# Altium PCB controller_V1.3.1.PcbDoc (part 2 of 7)
Units mm, origin at the board's own origin, x right, y up, seen from the top; angles counter-clockwise.
Board outline 244 x 150 mm, 2 copper layers (Top Layer, Bottom Layer), stack 1.98 mm thick; 438 components, 367 nets, 1493 pads, 9629 vias.
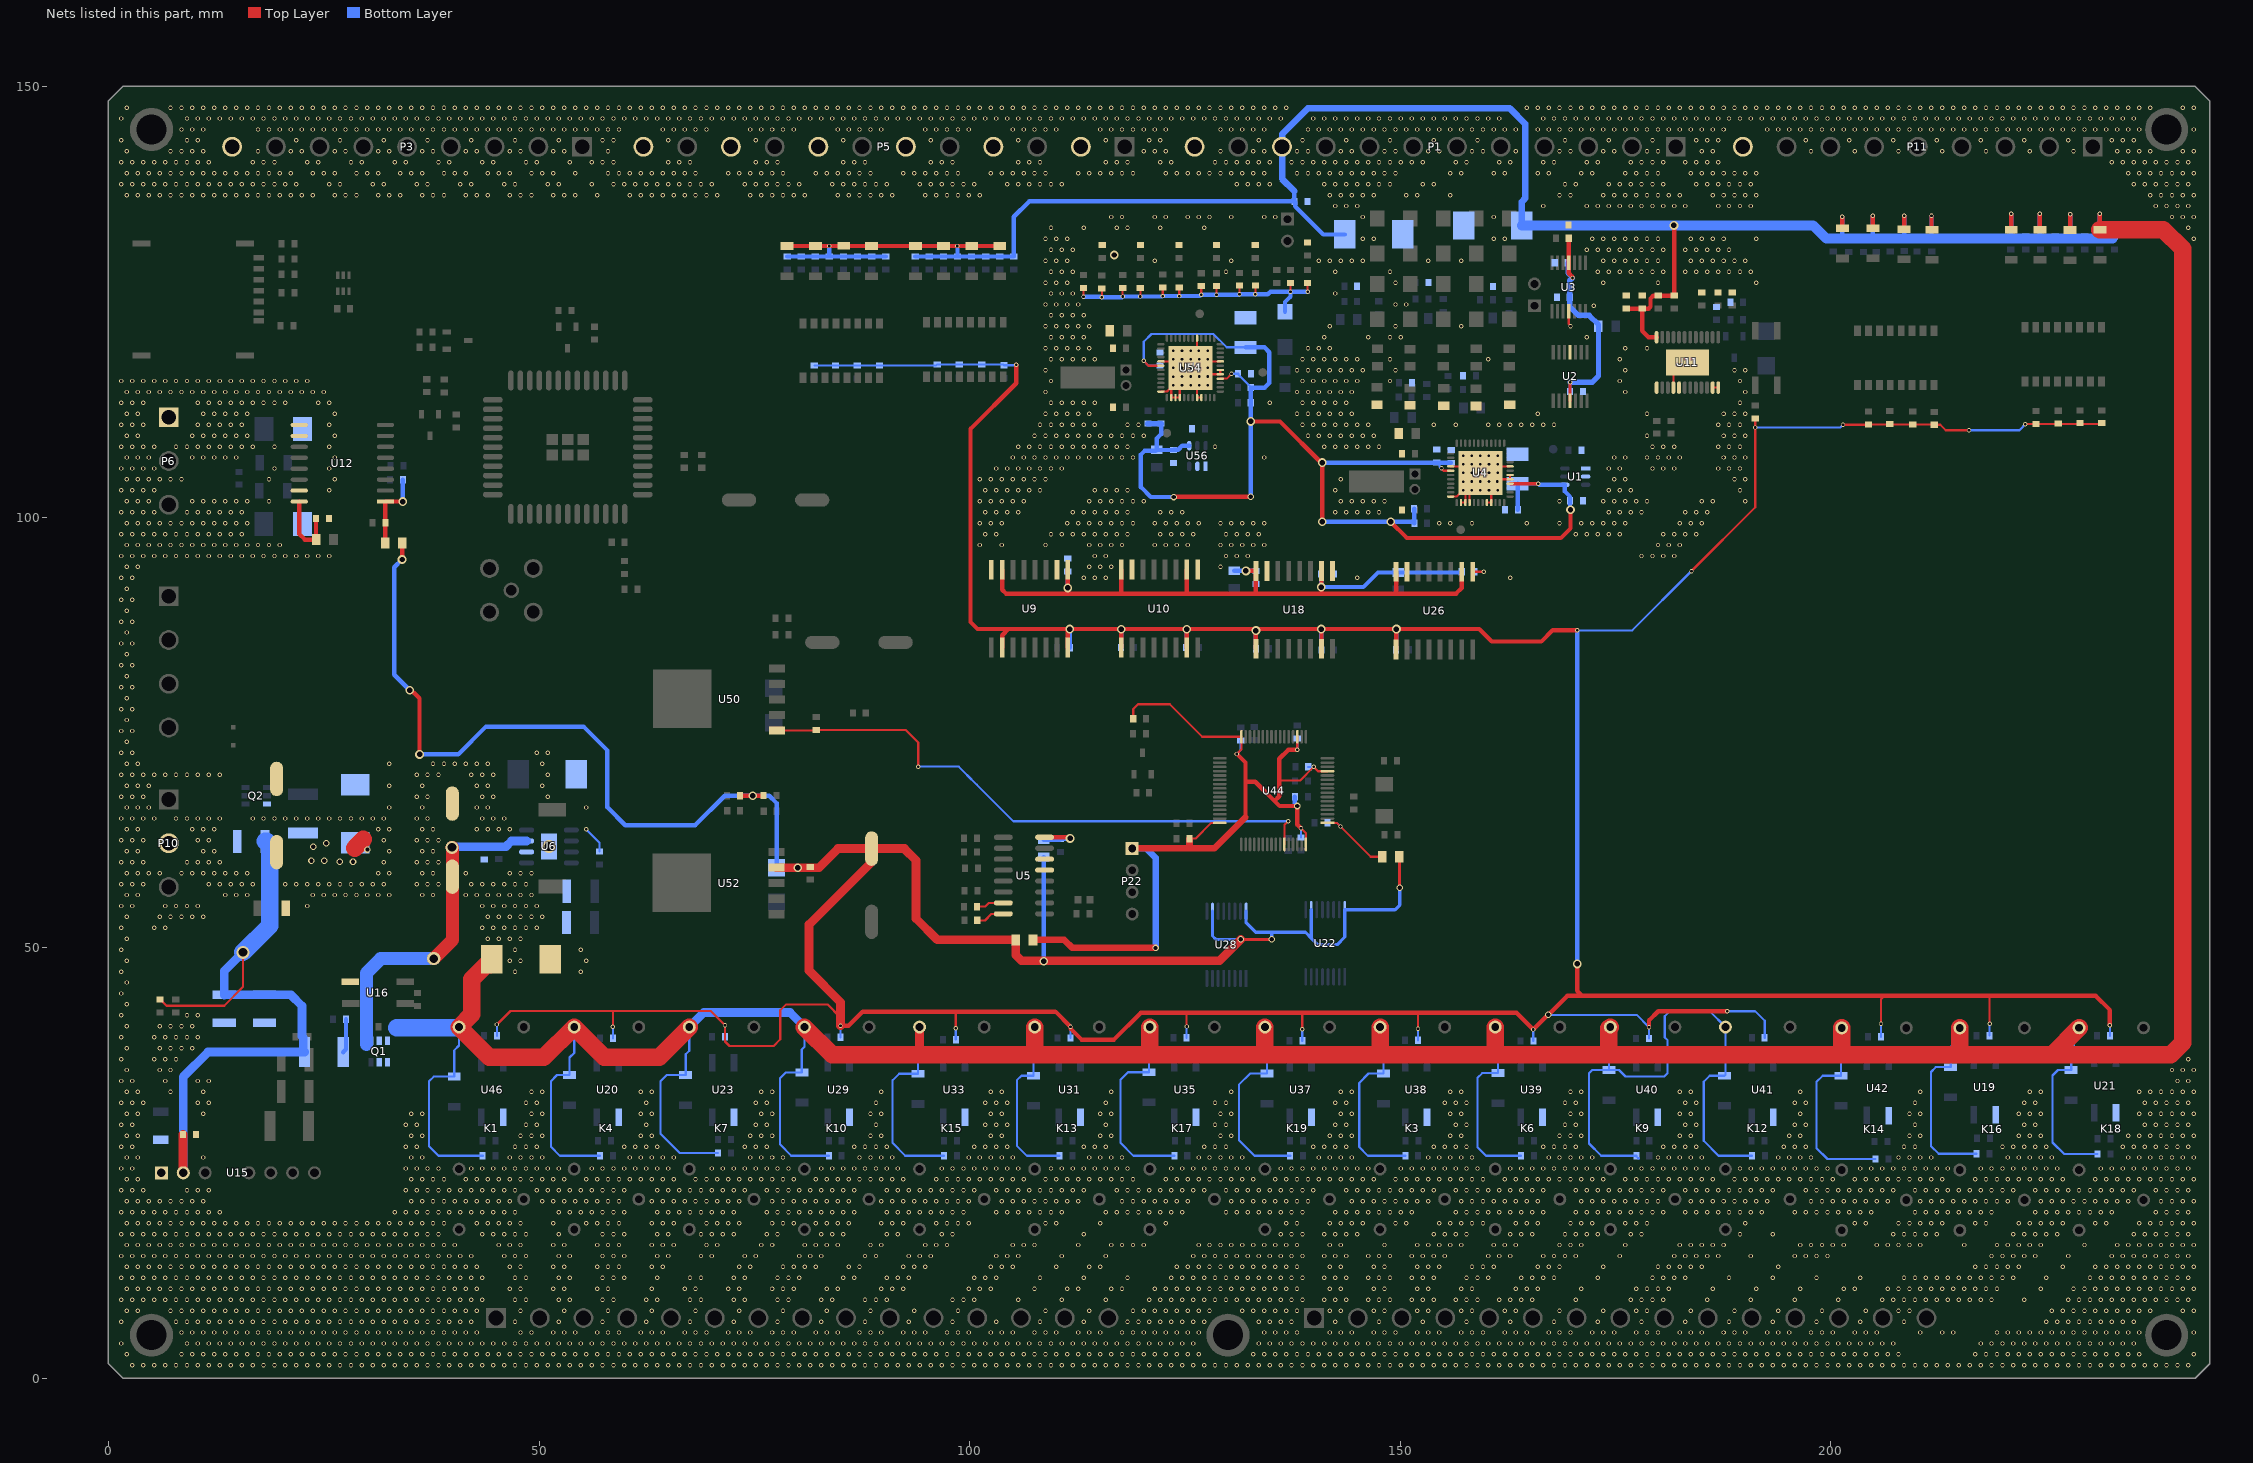
[diagram p2: the nets of this part, all layers, seen from the top]

## Via types
v1: diameter 0.508, hole 0.305, Top Layer to Bottom Layer, 9222 vias
v2: diameter 0.508, hole 0.305, Top Layer to Bottom Layer, tented both sides, 294 vias
v3: diameter 0.6, hole 0.3, Top Layer to Bottom Layer, 50 vias
v4: diameter 1.016, hole 0.635, Top Layer to Bottom Layer, tented both sides, 39 vias
v5: diameter 0.762, hole 0.508, Top Layer to Bottom Layer, tented both sides, 16 vias
v6: diameter 1.524, hole 1.016, Top Layer to Bottom Layer, tented both sides, 7 vias
v7: diameter 1.5, hole 1, Top Layer to Bottom Layer, 1 vias

## Nets (pads, with @x,y where several pads share a name; then routed paths per layer and width w, separated by ;. In a path a pad name is that pad's centre, name@x,y a point inside that pad or via, vN(x,y) a via of type N, cw(c..) or ccw(c..) an arc to the next point about the centre after c; other vN are vias at no path point) (continued)
3.3V_ISO: C57.1 C73.1 C146.2 C147.2 C161.2 C163.2 C166.2 D71.2 E147.1 FB5.1 FB6.1 FB7.2 FB9.1 R10.1 R16.1 R32.1 R34.1 R36.1 R41.1 R43.1 R47.1 R82.1 R87.1 R93.1 R97.1 R106.2 R107.2 R109.1 R114.1 R116.1 R118.1 R124.2 R127.2 R128.2 R131.2 R135.2 R139.2 R142.2 R147.2 R150.2 R152.2 R154.2 R156.2 R158.2 R160.2 R184.2 R185.1 U9.10 U9.16 U10.1 U10.7 U18.1 U18.7 U22.10 U22.16 U26.1 U28.10 U28.16 U52.4 | length 782.9
  Top Layer w0.254: v2(45.107,41.076) 46.678,42.647 69.926,42.647 v2(71.599,40.974) 71.599,39.094 72.111,38.583 77.241,38.583 78.003,39.345 78.003,42.723 78.689,43.409 83.49,43.409 85.01,41.888 ; v2(58.569,40.796) 58.569,42.592 ; v2(98.396,40.644) 98.396,42.498 ; v2(125.194,40.847) 125.194,42.37 ; v2(138.631,40.517) 138.631,42.416 ; v2(152.067,40.568) 152.067,42.289 ; v2(183.82,93.726) 191.225,101.131 v2(191.225,110.392) R106.2@191.225,111.431 ; v2(201.422,110.719) 204.344,110.719 R47.1@204.368,110.743 R41.1@209.499,110.743 211.988,110.743 R36.1@212.014,110.717 212.701,110.717 213.335,110.084 v2(216.052,110.084) ; v2(205.823,41.166) 205.823,44 206.223,44.399 ; 218.211,44.399 218.441,44.169 v2(218.441,41.149) ; v2(222.58,110.795) 222.606,110.82 R34.1@223.825,110.82 231.369,110.82 R10.1@231.445,110.896
  Top Layer w0.381: v5(131.47,50.952) v5(135.077,50.952) ; FB6.1@149.907,60.554 149.907,57.001 v5(149.936,56.972)
  Top Layer w0.508: v4(34.087,95.072) 34.131,95.116 FB7.2@34.131,96.977 ; v4(34.976,79.883) 35.113,79.883 35.367,79.629 35.458,79.629 36.119,78.969 v4(36.119,72.441) ; R184.2@73.327,67.64 v4(74.828,67.64) 76.048,67.64 R185.1@76.073,67.666 ; v2(85.01,40.923) 85.932,40.923 87.579,42.57 109.957,42.57 v2(111.705,40.822) 111.705,40.602 112.988,39.319 116.764,39.319 119.888,42.443 163.501,42.443 v2(165.453,40.491) v5@167.167,42.205 ; U9.10@103.781,84.833 103.781,86.28 104.496,86.995 ; v2(105.4,117.682) 105.4,115.537 100.101,110.238 100.101,87.808 100.914,86.995 104.496,86.995 ; U9.16@111.401,84.833 v4@111.401,86.712 ; U10.1@117.598,84.859 v4@117.598,86.77 ; U10.7@125.218,84.859 v4(125.218,86.966) ; U18.1@133.245,84.706 v4(133.245,86.813) ; U18.7@140.865,84.706 v4@140.865,86.923 ; U26.1@149.526,84.604 149.526,86.966 v4(149.555,86.995) ; v5(167.183,42.189) 169.393,44.399 171.141,44.399 ; v4(170.561,48.108) 170.561,44.979 171.141,44.399 ; v2(170.561,86.843) 167.691,86.843 166.395,85.547 160.63,85.547 159.182,86.995 v4(149.555,86.995) ; v2(178.888,40.771) 178.888,41.551 179.959,42.621 v2(187.985,42.621) ; v2(232.41,40.97) 232.41,42.748 230.759,44.399 218.211,44.399 206.223,44.399 171.141,44.399 ; 104.496,86.995 v4(140.843,86.995) v4(149.555,86.995)
  Top Layer w1.016: U52.4@77.585,59.287 82.503,59.287 84.717,61.502 E147.1@88.617,61.502 ; v2(85.01,40.923) 85.01,41.888 85.01,43.666 81.356,47.32 81.356,52.68 88.617,59.94 E147.1@88.617,61.502 ; v5(131.47,50.952) 129.007,48.489 106.02,48.489 105.359,49.149 FB5.1@105.359,50.902 96.241,50.902 93.767,53.375 93.767,60.157 92.422,61.502 E147.1@88.617,61.502
  Bottom Layer w0.254: R107.2@45.107,39.751 v2(45.107,41.076) ; R127.2@58.569,39.472 v2(58.569,40.796) ; R131.2@71.599,39.649 v2(71.599,40.974) ; R97.1@81.97,117.597 R93.1@84.431,117.597 R87.1@86.957,117.597 R82.1@89.535,117.597 R118.1@96.1,117.597 ; R135.2@85.01,39.599 v2(85.01,40.923) ; R118.1@96.227,117.724 R116.1@98.779,117.724 R114.1@101.422,117.724 103.893,117.724 R109.1@103.988,117.629 105.347,117.629 v2(105.4,117.682) ; R142.2@98.396,39.319 v2(98.396,40.644) ; R139.2@111.705,39.497 v2(111.705,40.822) ; R147.2@125.194,39.522 v2(125.194,40.847) ; R150.2@138.631,39.192 v2(138.631,40.517) ; R152.2@152.067,39.243 v2(152.067,40.568) ; R154.2@165.453,39.167 v2(165.453,40.491) ; v5(167.183,42.189) 177.47,42.189 v2(178.888,40.771) R156.2@178.888,39.446 ; v2(170.561,86.843) 176.936,86.843 v2(183.82,93.726) ; v2(187.985,42.621) 191.211,42.621 192.326,41.506 R158.2@192.326,39.522 ; v2(191.225,110.392) 201.096,110.392 v2(201.422,110.719) ; R160.2@205.823,39.634 v2(205.823,41.166) ; v2(216.052,110.084) 221.921,110.084 222.345,110.508 222.345,110.56 v2(222.58,110.795) ; R124.2@218.441,39.78 v2(218.441,41.149) ; R128.2@232.411,39.755 v2@232.411,40.969
  Bottom Layer w0.381: U28.10@128.2,54.229 128.2,51.352 128.6,50.952 v5(131.47,50.952) ; U28.16@132.1,54.229 132.1,52.888 133.212,51.776 135.103,51.776 ; v5(135.077,50.952) 135.077,51.751 135.103,51.776 ; U22.10@139.666,54.409 139.666,51.11 ; v5(149.936,56.972) 149.936,54.94 149.405,54.409 U22.16@143.566,54.409 143.566,51.237 142.684,50.355 140.421,50.355 139.666,51.11 ; 135.103,51.776 139,51.776 139.666,51.11
  Bottom Layer w0.508: v4(34.087,95.072) 33.172,94.158 33.172,81.686 v4(34.976,79.883) ; v4(36.119,72.441) 40.615,72.441 43.84,75.667 55.169,75.667 57.937,72.898 57.937,66.294 60.02,64.211 68.123,64.211 71.552,67.64 v4(74.828,67.64) 76.733,67.64 77.585,66.789 D71.2@77.585,59.287 ; v4(108.61,48.412) FB9.1@108.61,60.528 ; C163.2@111.631,84.833 v4(111.631,86.993) ; C57.1@117.598,84.859 v4(117.598,86.966) ; C147.2@125.218,84.859 v4(125.218,86.966) ; C166.2@133.245,84.706 v4(133.245,86.813) ; C161.2@140.838,84.557 v4@140.838,86.995 ; C73.1@149.526,84.604 v4@149.526,86.995 ; v4(170.561,48.108) v2(170.561,86.843)
  Bottom Layer w0.762: D71.2@77.585,59.287 v4(80.044,59.287)
3.3V_ISO_AD: D72.2 R192.2 R193.2 R194.2 R195.2 R204.2 R205.2 R206.2 R207.2 R216.2 R217.2 R218.2 R219.2 | length 41
  Top Layer w0.254: v2(113.221,125.59) R217.2@113.221,126.588 ; v2(115.354,125.533) R216.2@115.354,126.531 ; v2(117.767,125.611) R195.2@117.767,126.61 ; v2(119.825,125.613) R194.2@119.825,126.611 ; v2(122.416,125.662) R205.2@122.416,126.66 ; v2(124.346,125.662) R204.2@124.346,126.66 ; v2(126.886,125.815) R207.2@126.886,126.813 ; v2(128.664,125.815) R206.2@128.664,126.813 ; v2(131.331,125.865) R219.2@131.331,126.864 ; v2(133.185,125.865) R218.2@133.185,126.864 ; v2(137.26,126.174) R193.2@137.26,127.172 ; v2(139.242,126.174) R192.2@139.242,127.172
  Top Layer w0.381: R217.2@113.221,126.588 R217.2@113.25,126.56 ; R216.2@115.326,126.56 R216.2@115.354,126.531 R216.2@115.394,126.571 ; R194.2@119.785,126.571 R194.2@119.825,126.611 R194.2@119.85,126.636
  Bottom Layer w0.508: v2(113.221,125.59) 115.297,125.59 v2(115.354,125.533) 117.689,125.533 v2(117.767,125.611) 122.365,125.611 v2(122.416,125.662) v2(124.346,125.662) 126.734,125.662 v2(126.886,125.815) v2(128.664,125.815) v2@131.28,125.815 ; v2(131.331,125.865) v2(133.185,125.865) 134.628,125.865 134.937,126.174 v2(137.26,126.174) ; D72.2@136.627,123.843 136.627,124.968 137.26,125.602 v2(137.26,126.174) ; v2(139.242,126.174) v2(137.26,126.174)
3.3V_MCU: C123.2 C124.2 C125.2 C126.2 C127.2 FB5.2 LD1.1 P22.1 R168.2 U44.13 U44.19 U44.32 U44.48 U44.64 | length 108.7
  Top Layer w0.254: LD1.1@118.999,76.581 118.999,77.716 119.555,78.272 123.227,78.272 127.008,74.491 U44.32@131.553,74.491 131.553,73.006 v2(131.039,72.492) ; C126.2@125.528,62.662 126.238,62.662 128.067,64.491 U44.48@129.053,64.491 ; 135.966,69.418 138.393,69.418 v2(139.968,70.993) ; v2(138.045,72.96) 138.053,72.968 U44.19@138.053,74.491 ; v2(138.481,63.856) 139.053,63.283 U44.64@139.053,61.991 ; v2@139.968,70.968 140.445,70.491 U44.13@141.553,70.491
  Top Layer w0.508: v2(131.039,72.492) 132.029,71.501 132.029,69.266 ; 132.029,65.151 132.029,69.266 ; v2(138.045,72.96) 136.994,72.96 135.966,71.933 135.966,69.418 135.966,67.589 135.407,67.031 ; v2(138.481,63.856) 138.045,64.291 v5(138.045,66.446) 135.992,66.446 135.407,67.031 ; 132.029,69.266 133.172,69.266 135.407,67.031
  Top Layer w0.762: FB5.2@107.359,50.902 110.998,50.902 111.938,49.962 v5(121.59,49.962) ; P22.1@118.872,61.519 128.397,61.519 132.029,65.151 ; 125.528,62.062 C126.2@125.528,62.662
  Bottom Layer w0.254: v2(131.039,72.492) 131.467,72.92 C124.2@131.467,74.04 ; v2(138.045,72.96) C123.2@138.045,74.268 ; C127.2@138.481,62.79 v2(138.481,63.856) ; C125.2@139.319,70.993 v2(139.968,70.993)
  Bottom Layer w0.508: R168.2@137.767,67.539 137.767,66.725 v5(138.045,66.446)
  Bottom Layer w0.762: P22.1@118.872,61.519 120.498,61.519 121.59,60.427 121.59,56.312 ; v5(121.59,49.962) 121.59,56.312 ; 121.59,58.141 121.59,56.312
3.3V_MCU_AD: C128.2 FB6.2 U44.1 | length 9.7
  Top Layer w0.254: U44.1@141.553,64.491 142.646,64.491 146.583,60.554 FB6.2@147.907,60.554
  Bottom Layer w0.254: C128.2@141.529,64.491 142.646,64.491 v2(143.065,64.072)
3.8V_EN: R183.2 U44.59 U50.1 | length 69.9
  Top Layer w0.254: U50.1@77.65,75.221 82.13,75.221 R183.2@82.194,75.286 92.558,75.286 94.031,73.812 v2(94.031,71.018) ; U44.59@136.553,61.991 136.545,61.999 136.545,64.231 v2(137.008,64.694)
  Bottom Layer w0.254: v2(94.031,71.018) 98.73,71.018 100.838,68.91 ; 99.695,70.053 100.838,68.91 ; v2(137.008,64.694) 136.982,64.668 130.2,64.668 105.08,64.668 100.838,68.91
5V_F: C47.2 C49.2 C58.2 FB4.2 R24.2 U2.4 U3.4 | length 27.2
  Top Layer w0.381: U2.4@169.723,113.513 v2(169.723,115.672)
  Top Layer w0.508: R24.2@169.57,132.359 U3.4@169.57,129.515 169.57,128.321 170.002,127.889 v2(170.002,127.762)
  Bottom Layer w0.381: C49.2@169.721,114.579 v2@169.722,115.671
  Bottom Layer w0.508: C47.2@169.445,129.515 169.445,128.319 v2(170.002,127.762)
  Bottom Layer w0.635: C58.2@169.691,125.507 C58.2@169.685,125.514 ; v2(169.723,115.672) 172.314,115.672 173.025,116.383 173.025,122.352 171.945,123.431 170.688,123.431 169.685,124.435 C58.2@169.685,125.514 ; v2(170.002,127.762) 169.685,127.444 C58.2@169.685,125.514
5VA: C2.2 C84.2 C85.2 C86.2 C121.2 C133.2 C157.2 E13.1 E14.1 FB2.2 R19.1 R20.1 R73.1 R75.1 R189.1 R190.1 U1.4 U4.6 U4.28 U54.6 U54.28 U56.4 | length 159.1
  Top Layer w0.254: v2(120.218,118.135) 120.781,117.573 U54.6@122.208,117.573 ; U54.28@129.108,116.073 129.839,116.073 v2(130.404,116.637) ; v2(154.788,105.664) 154.738,105.664 155.021,105.381 U4.6@155.863,105.381
  Top Layer w0.381: U4.28@162.763,103.881 v2(166.034,103.881)
  Top Layer w0.508: v5(123.708,102.323) 123.747,102.362 v5(132.664,102.362) ; v4(132.643,111.1) 136.042,111.1 v4@140.945,106.197 ; v4(140.945,99.441) v4@140.945,106.197 ; v4(140.946,106.323) v4@140.945,106.197 ; v4(148.895,99.441) 150.774,97.561 168.656,97.561 169.774,98.679 v4(169.774,100.838)
  Bottom Layer w0.254: C86.2@122.102,117.601 120.753,117.601 v2(120.218,118.135) 120.218,120.35 121.128,121.26 128.299,121.26 129.849,119.71 E13.1@132.051,119.71 ; v2(130.404,116.637) C85.2@131.186,116.637 131.186,116.562 132.413,115.335 132.42,115.335 132.643,115.112 R19.1@132.643,115.037 ; C133.2@154.579,105.973 154.579,105.823 154.738,105.664 v2(154.788,105.664) ; C121.2@155.88,106.323 C121.2@155.931,106.272
  Bottom Layer w0.381: E14.1@163.631,103.861 163.651,103.881 v2(166.034,103.881)
  Bottom Layer w0.508: R75.1@122.229,110.846 122.229,109.631 121.721,109.123 FB2.2@121.721,107.802 ; v5(123.708,102.323) 121.045,102.323 119.888,103.48 119.888,107.264 120.309,107.685 121.605,107.685 FB2.2@121.721,107.802 ; U56.4@125.495,108.297 124.7,108.297 124.227,107.824 123.699,107.824 123.656,107.781 121.742,107.781 FB2.2@121.721,107.802 ; E13.1@132.051,119.71 134.239,119.71 134.798,119.151 134.798,115.57 134.264,115.037 R19.1@132.643,115.037 R189.1@132.643,113.259 v4(132.643,111.1) 132.643,102.383 v5(132.664,102.362) ; v4(140.945,99.441) v4(148.895,99.441) 151.484,99.441 R73.1@151.637,99.289 151.637,100.941 R20.1@151.613,100.965 ; v4(140.946,106.323) C133.2@154.229,106.323 C121.2@155.88,106.323 ; E14.1@163.631,103.861 163.654,103.838 C84.2@163.654,100.838 ; v2(166.034,103.881) 166.166,103.749 U1.4@169.125,103.749 169.125,102.963 169.714,102.374 C2.2@169.714,101.905 169.714,100.898 v4(169.774,100.838)
  Bottom Layer w0.635: R190.1@120.705,110.846 R75.1@122.229,110.846
5VD_F: C138.2 C160.2 C164.2 C165.2 FB1.2 FB3.2 U9.1 U9.7 U10.10 U10.16 U18.10 U18.16 U26.10 U26.16 | length 97.7
  Top Layer w0.508: U9.7@103.781,93.876 103.781,91.545 104.216,91.11 156.489,91.11 157.146,91.766 U26.10@157.146,93.646 ; 111.401,91.114 U9.1@111.401,93.876 ; 117.598,91.342 U10.16@117.598,93.901 ; 125.218,91.241 U10.10@125.218,93.901 ; v4(132.083,93.749) U18.16@133.245,93.749 133.245,91.233 ; 140.865,91.19 U18.10@140.865,93.749 ; 149.526,91.19 U26.16@149.526,93.646
  Bottom Layer w0.508: v4(111.404,91.77) C138.2@111.404,93.674 ; FB3.2@130.73,93.745 133.24,93.745 C165.2@133.248,93.753 ; C164.2@140.816,93.396 v4(140.816,91.873) 145.721,91.873 147.415,93.567 FB1.2@149.78,93.567 157.067,93.567 C160.2@157.146,93.646
24V_F: C54.2 E138.1 F4.2 Q1.4 R25.2 R179.2 U6.7 | length 43.5
  Top Layer w1.524: v6(37.77,48.717) 39.929,50.876 E138.1@39.929,58.234 39.929,61.62 v6(39.903,61.646)
  Bottom Layer w0.508: F4.2@27.254,37.871 27.586,38.203 R25.2@27.586,41.681
  Bottom Layer w1.016: v6(39.903,61.646) 39.98,61.722 C54.2@43.633,61.722 46.149,61.722 46.81,62.382 U6.7@48.552,62.382
  Bottom Layer w1.524: 29.945,38.767 29.945,47.039 31.623,48.717 v6(37.77,48.717)
24V_FO: C16.1 C18.1 C19.1 C20.1 C22.1 C23.1 C24.1 C26.1 C35.2 C36.2 C37.2 C56.1 C63.1 C65.1 C76.1 C78.1 C79.1 C80.1 C96.2 C108.1 C167.2 D4.2 D13.2 D14.2 D15.2 D16.2 D17.2 D18.2 D19.2 D20.2 D21.2 D23.2 D24.2 D25.2 D27.2 D28.2 D29.2 D30.2 D31.2 D32.2 D33.2 D34.2 D36.2 D37.2 D38.2 D39.2 D40.2 D41.2 D42.2 D43.2 D45.2 D49.2 D52.2 D75.2 D76.2 K1.4 K3.4 K4.4 K6.4 K7.4 K9.4 K10.4 K12.4 K13.4 K14.4 K15.4 K16.4 K17.4 K18.4 K19.4 P1.10 Q1.1 Q1.2 Q1.5 Q1.6 R9.2 R15.2 R31.2 R33.2 R35.2 R38.2 R42.2 R46.2 R81.2 R86.2 R92.2 R96.2 R108.2 R113.2 R115.2 R117.2 R122.2 R123.2 R125.2 R126.2 R129.2 R133.2 R137.2 R141.2 R145.2 R149.2 R151.2 R153.2 R155.2 R157.2 R159.2 U11.24 | length 986.1
  Top Layer w0.508: D15.2@78.781,131.471 D14.2@82.083,131.471 D4.2@88.611,131.471 D18.2@93.691,131.471 D17.2@96.942,131.471 D16.2@100.244,131.471 D45.2@103.495,131.471 ; C37.2@176.239,124.205 C36.2@178.101,124.205 ; U11.24@179.776,120.883 178.837,120.883 178.101,121.619 C36.2@178.101,124.205 ; v4@181.827,133.846 C35.2@181.827,125.705 C96.2@179.964,125.705 179.389,125.705 179.07,125.386 179.07,124.409 178.865,124.205 C36.2@178.101,124.205 ; D43.2@201.346,133.525 v2(201.346,134.874) ; D42.2@204.876,133.551 v2(204.876,134.976) ; D41.2@208.483,133.424 208.534,133.474 v2(208.534,135.001) ; v2(211.697,134.974) 211.697,133.41 D40.2@211.734,133.373 ; v2(220.942,135.214) 220.942,133.385 D39.2@220.955,133.373 ; v2(224.27,135.214) 224.27,133.385 D38.2@224.282,133.373 ; v2(227.784,135.175) 227.784,133.346 D37.2@227.796,133.334 ; v2(231.229,135.214) 231.229,133.385 D36.2@231.242,133.373
  Top Layer w0.635: 94.158,37.567 94.188,37.597 94.188,38.608
  Top Layer w1.016: 94.188,38.608 K15.4@94.188,40.782
  Top Layer w2.032: D52.2@44.526,48.666 44.526,48.266 44.292,48.032 43.892,48.032 42.175,46.315 42.175,42.245 K1.4@40.712,40.782 44.233,37.262 50.561,37.262 K4.4@54.081,40.782 57.577,37.287 63.955,37.287 K7.4@67.45,40.782 ; K10.4@80.819,40.782 84.035,37.567 94.158,37.567 107.557,37.567 ; K13.4@107.557,40.782 107.557,37.567 ; K17.4@120.926,40.782 120.926,37.567 ; K19.4@134.295,40.782 134.295,37.567 ; K3.4@147.664,40.782 147.664,37.567 ; K6.4@161.033,40.782 161.033,37.567 ; K9.4@174.402,40.782 174.24,40.62 174.24,37.567 ; K14.4@201.27,40.681 201.27,37.77 201.066,37.567 ; K16.4@214.979,40.681 214.979,37.788 214.757,37.567 ; K18.4@228.822,40.691 225.697,37.567 ; D36.2@231.242,133.373 238.61,133.373 240.843,131.14 240.843,38.938 239.471,37.567 225.697,37.567 ; 107.557,37.567 120.926,37.567 ; 120.926,37.567 134.295,37.567 ; 134.295,37.567 147.664,37.567 ; 147.664,37.567 161.033,37.567 ; 161.033,37.567 174.24,37.567 ; 174.24,37.567 201.066,37.567 ; 201.066,37.567 214.757,37.567 ; 214.757,37.567 225.697,37.567
  Bottom Layer w0.254: K1.4@40.712,40.782 40.712,38.63 40.154,38.071 D49.2@40.154,35.024 37.767,35.024 37.211,34.468 37.211,26.949 38.321,25.84 R122.2@43.454,25.84 ; K4.4@54.081,40.782 54.081,37.775 53.539,37.233 D20.2@53.539,35.202 52.093,35.202 51.384,34.493 51.384,26.873 52.418,25.84 R125.2@57.069,25.84 ; K7.4@67.45,40.782 67.45,38.037 67.027,37.614 D23.2@67.027,35.202 64.844,35.202 64.11,34.468 64.11,28.397 66.345,26.162 R129.2@70.763,26.162 ; K10.4@80.819,40.782 80.819,38.478 80.514,38.172 D24.2@80.514,35.507 78.636,35.507 77.978,34.849 77.978,27.153 79.291,25.84 R133.2@83.643,25.84 ; K15.4@94.188,40.782 94.002,40.596 D27.2@94.002,35.354 91.818,35.354 91.059,34.595 91.059,27.305 92.524,25.84 R141.2@97.039,25.84 ; K13.4@107.557,40.782 107.413,40.638 D25.2@107.413,35.126 106.017,35.126 105.486,34.595 105.486,27 106.647,25.84 R137.2@110.435,25.84 ; K17.4@120.926,40.782 120.824,40.68 D28.2@120.824,35.532 118.387,35.532 117.526,34.671 117.526,27.33 119.017,25.84 R145.2@123.769,25.84 ; K19.4@134.295,40.782 134.515,40.563 D29.2@134.515,35.38 132.585,35.38 131.267,34.061 131.267,27.661 133.088,25.84 R149.2@137.228,25.84 ; K3.4@147.664,40.782 147.664,38.721 148.053,38.332 D30.2@148.053,35.38 146.327,35.38 145.237,34.29 145.237,26.848 146.245,25.84 R151.2@150.591,25.84 ; K6.4@161.033,40.782 161.033,38.306 161.362,37.977 D31.2@161.362,35.43 159.509,35.43 158.979,34.9 158.979,26.822 159.961,25.84 R153.2@164.02,25.84 ; K9.4@174.402,40.782 174.24,40.62 D32.2@174.24,35.786 ; R155.2@177.715,25.542 177.64,25.542 177.417,25.765 R155.2@177.417,25.84 173.347,25.84 171.933,27.254 171.933,35.408 172.311,35.786 D32.2@174.24,35.786 ; R157.2@190.852,25.84 186.962,25.84 185.242,27.559 185.242,34.417 185.951,35.126 D33.2@187.651,35.126 187.771,35.246 K12.4@187.771,40.782 185.933,42.621 181.305,42.621 180.721,42.037 180.721,39.573 181.051,39.243 181.051,35.433 180.645,35.027 176.161,35.027 175.401,35.786 D32.2@174.24,35.786 ; K14.4@201.371,40.532 201.168,40.329 D34.2@201.168,35.132 199.064,35.132 198.349,34.417 198.349,26.721 199.615,25.455 R159.2@205.181,25.455 ; K16.4@214.554,40.532 214.554,39.116 213.919,38.481 D19.2@213.919,36.123 212.195,36.123 211.633,35.56 211.633,26.949 212.518,26.064 R123.2@216.916,26.064 ; K18.4@228.244,40.732 228.244,37.643 227.914,37.313 D21.2@227.914,35.79 226.391,35.79 225.755,35.154 225.755,27.381 227.098,26.039 R126.2@230.962,26.039
  Bottom Layer w0.508: C65.1@78.806,130.254 C63.1@82.079,130.254 R92.2@83.716,130.254 ; v2@83.716,131.468 R92.2@83.716,130.254 ; R81.2@90.262,130.254 C108.1@88.625,130.254 C56.1@85.352,130.254 R92.2@83.716,130.254 ; C80.1@93.691,130.254 R117.2@95.323,130.254 C79.1@96.956,130.254 R115.2@98.589,130.254 ; v2@98.589,131.457 R115.2@98.589,130.254 ; C167.2@137.715,136.652 106.909,136.652 105.121,134.864 R108.2@105.121,130.254 C76.1@103.488,130.254 R113.2@101.855,130.254 C78.1@100.222,130.254 R115.2@98.589,130.254 ; 137.715,137.834 137.715,136.654 C167.2@137.717,136.652 137.813,136.556 137.813,136.075 141.072,132.817 D76.2@143.561,132.817 ; 201.319,132.359 201.346,132.386 v2(201.346,134.874) ; 204.876,132.69 v2(204.876,134.976) ; C20.1@208.534,132.386 v2(208.534,135.001) ; C18.1@211.697,132.359 v2(211.697,134.974) ; C24.1@220.942,132.602 v2(220.942,135.214) ; C22.1@224.27,132.638 v2(224.27,135.214) ; C19.1@227.784,132.564 v2(227.784,135.175) ; C16.1@231.229,132.57 v2(231.229,135.214)
  Bottom Layer w0.762: 137.715,137.834 136.28,139.269 136.28,139.548 136.28,144.459 139.268,147.447 162.738,147.447 164.506,145.679 164.506,136.998 164.106,136.598 D75.2@164.106,133.86
  Bottom Layer w1.016: K7.4@67.45,40.782 69.137,42.469 79.133,42.469 K10.4@80.819,40.782
  Bottom Layer w1.143: D75.2@164.106,133.86 v4(181.788,133.86) 197.966,133.86 199.466,132.359 200.296,132.359 201.319,132.359 202.096,132.359 203.801,132.359 204.876,132.359 R38.2@206.908,132.359 208.534,132.359 R35.2@210.016,132.359 211.697,132.359 C18.1@211.734,132.359 220.942,132.359 222.624,132.359 224.27,132.359 226.064,132.359 227.784,132.359 229.504,132.359 231.229,132.359 R9.2@232.739,132.359
  Bottom Layer w2.032: 33.503,40.691 40.621,40.691 K1.4@40.712,40.782
  other v2: 83.718,131.471 98.577,131.471
24V_IN: C27.2 C44.1 C134.2 C135.2 C136.2 D26.2 F1.2 F4.1 R102.2 U15.2 | length 82.6
  Top Layer w0.254: R102.2@5.991,43.994 6.066,43.994 6.289,43.771 6.289,43.696 6.729,43.256 13.437,43.256 15.621,45.441 v6(15.621,49.454)
  Top Layer w1.016: C27.2@8.66,28.296 8.66,23.877 U15.2@8.687,23.851
  Top Layer w2.032: 28.575,61.57 29.591,62.586
  Bottom Layer w1.016: U15.2@8.687,23.851 8.687,35.001 11.557,37.871 F4.1@22.754,37.871 22.612,38.013 22.612,39.575 22.479,39.709 22.479,43.231 21.185,44.525 C136.2@18.11,44.525 15.236,44.525 15.233,44.522 13.457,44.522 C135.2@13.449,44.514 13.449,47.282 v6(15.621,49.454)
  Bottom Layer w2.032: v6(15.621,49.454) 18.72,52.553 18.72,61.793 18.697,61.816 18.697,61.998 18.363,62.332 C134.2@18.181,62.332
  other v5: 26.873,59.969 28.397,59.995 23.571,60.071 25.07,60.071 30.074,61.392 23.8,61.722 25.273,62.103
232_3V3: C9.1 FB9.2 U5.16 | length 5.8
  Top Layer w0.508: U5.16@108.708,62.814 111.531,62.814 v4(111.658,62.687)
  Bottom Layer w0.508: FB9.2@108.61,62.528 110.458,62.528 C9.1@110.541,62.611 v4@111.404,62.611
232_rxd1: U5.13
232_rxd2: R28.1 U5.8 | length 3.3
  Top Layer w0.254: R28.1@100.885,53.162 101.778,53.162 102.54,53.924 U5.8@103.908,53.924
232_txd1: U5.14
232_txd2: R27.1 U5.7 | length 3.2
  Top Layer w0.254: R27.1@100.861,54.762 101.778,54.762 102.21,55.194 U5.7@103.908,55.194
485_3.3V3: C45.2 FB7.1 R227.2 U12.1 | length 9.4
  Top Layer w0.508: FB7.1@32.131,96.977 32.156,97.003 C45.2@32.156,99.339 U12.1@32.156,101.803 v4(34.163,101.803)
  Bottom Layer w0.508: v4(34.163,101.803) 34.188,101.829 R227.2@34.188,104.318
485_5V: C46.2 FB8.1 U12.16 | length 8.5
  Top Layer w0.508: U12.16@22.156,101.803 22.156,98.036 22.809,97.384 FB8.1@24.13,97.384 24.103,97.41 C46.2@24.103,99.822
AGND: C1.2 C2.1 C6.1 C7.1 C8.1 C15.1 C17.1 C25.1 C27.1 C36.1 C37.1 C38.2 C39.2 C40.1 C43.2 C44.2 C46.1 C47.1 C48.2 C49.1 C54.1 C58.1 C59.2 C62.1 C67.2 C68.2 C84.1 C85.1 C86.1 C112.1 C121.1 C133.1 C134.1 C135.1 C136.1 C138.1 C151.2 C153.2 C156.2 C157.1 C159.2 C160.1 C162.2 C164.1 C165.1 C167.1 D26.1 D35.1 D52.1 D75.1 D76.1 D78.1 D79.1 E13.2 E14.2 E138.2 P1.12 P3.9 P5.2 P5.4 P5.6 P5.8 P5.10 P5.12 P6.1 P10.2 P11.9 Q2.3 R6.1 R12.1 R14.1 R18.1 R23.1 R71.2 R89.1 R199.1 R200.1 R211.1 R212.1 R223.1 R224.1 U1.1 U1.2 U2.11 U3.11 U4.5 U4.12 U4.14 U4.15 U4.16 U4.20 U4.21 U4.29 U4.30 U4.32 U4.49 U6.6 U6.9 U9.2 U9.8 U10.9 U10.15 U11.1 U11.4 U11.5 U11.11 U11.12 U11.25 U12.9 U12.10 U12.15 U15.1 U16.3 U18.9 U18.15 U19.3 U20.3 U21.3 U23.3 U26.9 U26.15 U29.3 U31.3 U33.3 U35.3 U37.3 U38.3 U39.3 U40.3 U41.3 U42.3 U46.3 U54.5 U54.12 U54.14 U54.15 U54.16 U54.20 U54.21 U54.29 U54.30 U54.32 U54.41 U54.49 U56.1 U56.2 | length 45.7
  Top Layer w0.254: U54.12@122.208,114.573 122.908,114.573 123.283,114.948 123.36,114.948 123.408,114.9 U54.14@123.408,113.873 U54.15@123.908,113.873 U54.16@124.408,113.873 U54.49@124.408,116.073 ; U54.5@122.208,118.073 123.408,118.073 v3(123.658,118.323) ; v3(123.658,115.323) U54.49@124.408,116.073 ; U54.49@126.408,118.323 U54.41@126.408,120.773 ; v3(126.658,115.323) 126.408,115.073 U54.20@126.408,113.873 U54.21@126.908,113.873 ; v3(127.628,116.323) 127.878,116.573 U54.29@129.108,116.573 U54.30@129.108,117.073 ; U54.32@129.108,118.073 126.408,118.073 v3(125.658,117.323) v3(124.658,116.323) U54.49@124.408,116.073 ; U4.12@155.863,102.381 156.563,102.381 v3(157.313,103.131) 157.563,102.881 U4.15@157.563,101.681 U4.14@157.063,101.681 ; U4.5@155.863,105.881 157.063,105.881 v3(157.313,106.131) ; U4.16@158.063,101.681 158.063,102.881 v3(158.313,103.131) ; U26.9@158.416,93.646 v2(159.719,93.646) ; v3(159.313,103.131) v3(160.313,103.131) ; U4.20@160.063,101.681 U4.21@160.563,101.681 160.563,102.881 v3(160.313,103.131) ; v3(161.283,104.131) 161.533,104.381 U4.29@162.763,104.381 U4.30@162.763,104.881 ; v3(161.313,103.131) v3(160.313,103.131) ; v3(161.313,106.131) 161.563,105.881 U4.32@162.763,105.881 ; U3.11@169.57,123.876 169.57,122.414 169.767,122.217 v2(169.767,122.149) ; U11.4@181.726,115.033 181.726,116.585 183.099,117.958 U11.25@183.351,117.958 ; U11.11@186.276,115.033 U11.12@186.926,115.033
  Bottom Layer w0.254: v1@55.455,63.741 57.019,62.177 C68.2@57.019,61.163